# Altium PCB UmTRXv21.PcbDoc (part 6 of 19)
Units mm, origin at the board's own origin, x right, y up, seen from the top; angles counter-clockwise.
Board outline 159.5 x 99.5 mm, 6 copper layers (Top Layer, GND, MidLayer1, Mid-Layer 2, InternalPlane2, Bottom Layer), stack 1.526 mm thick; 716 components, 578 nets, 2850 pads, 1402 vias.
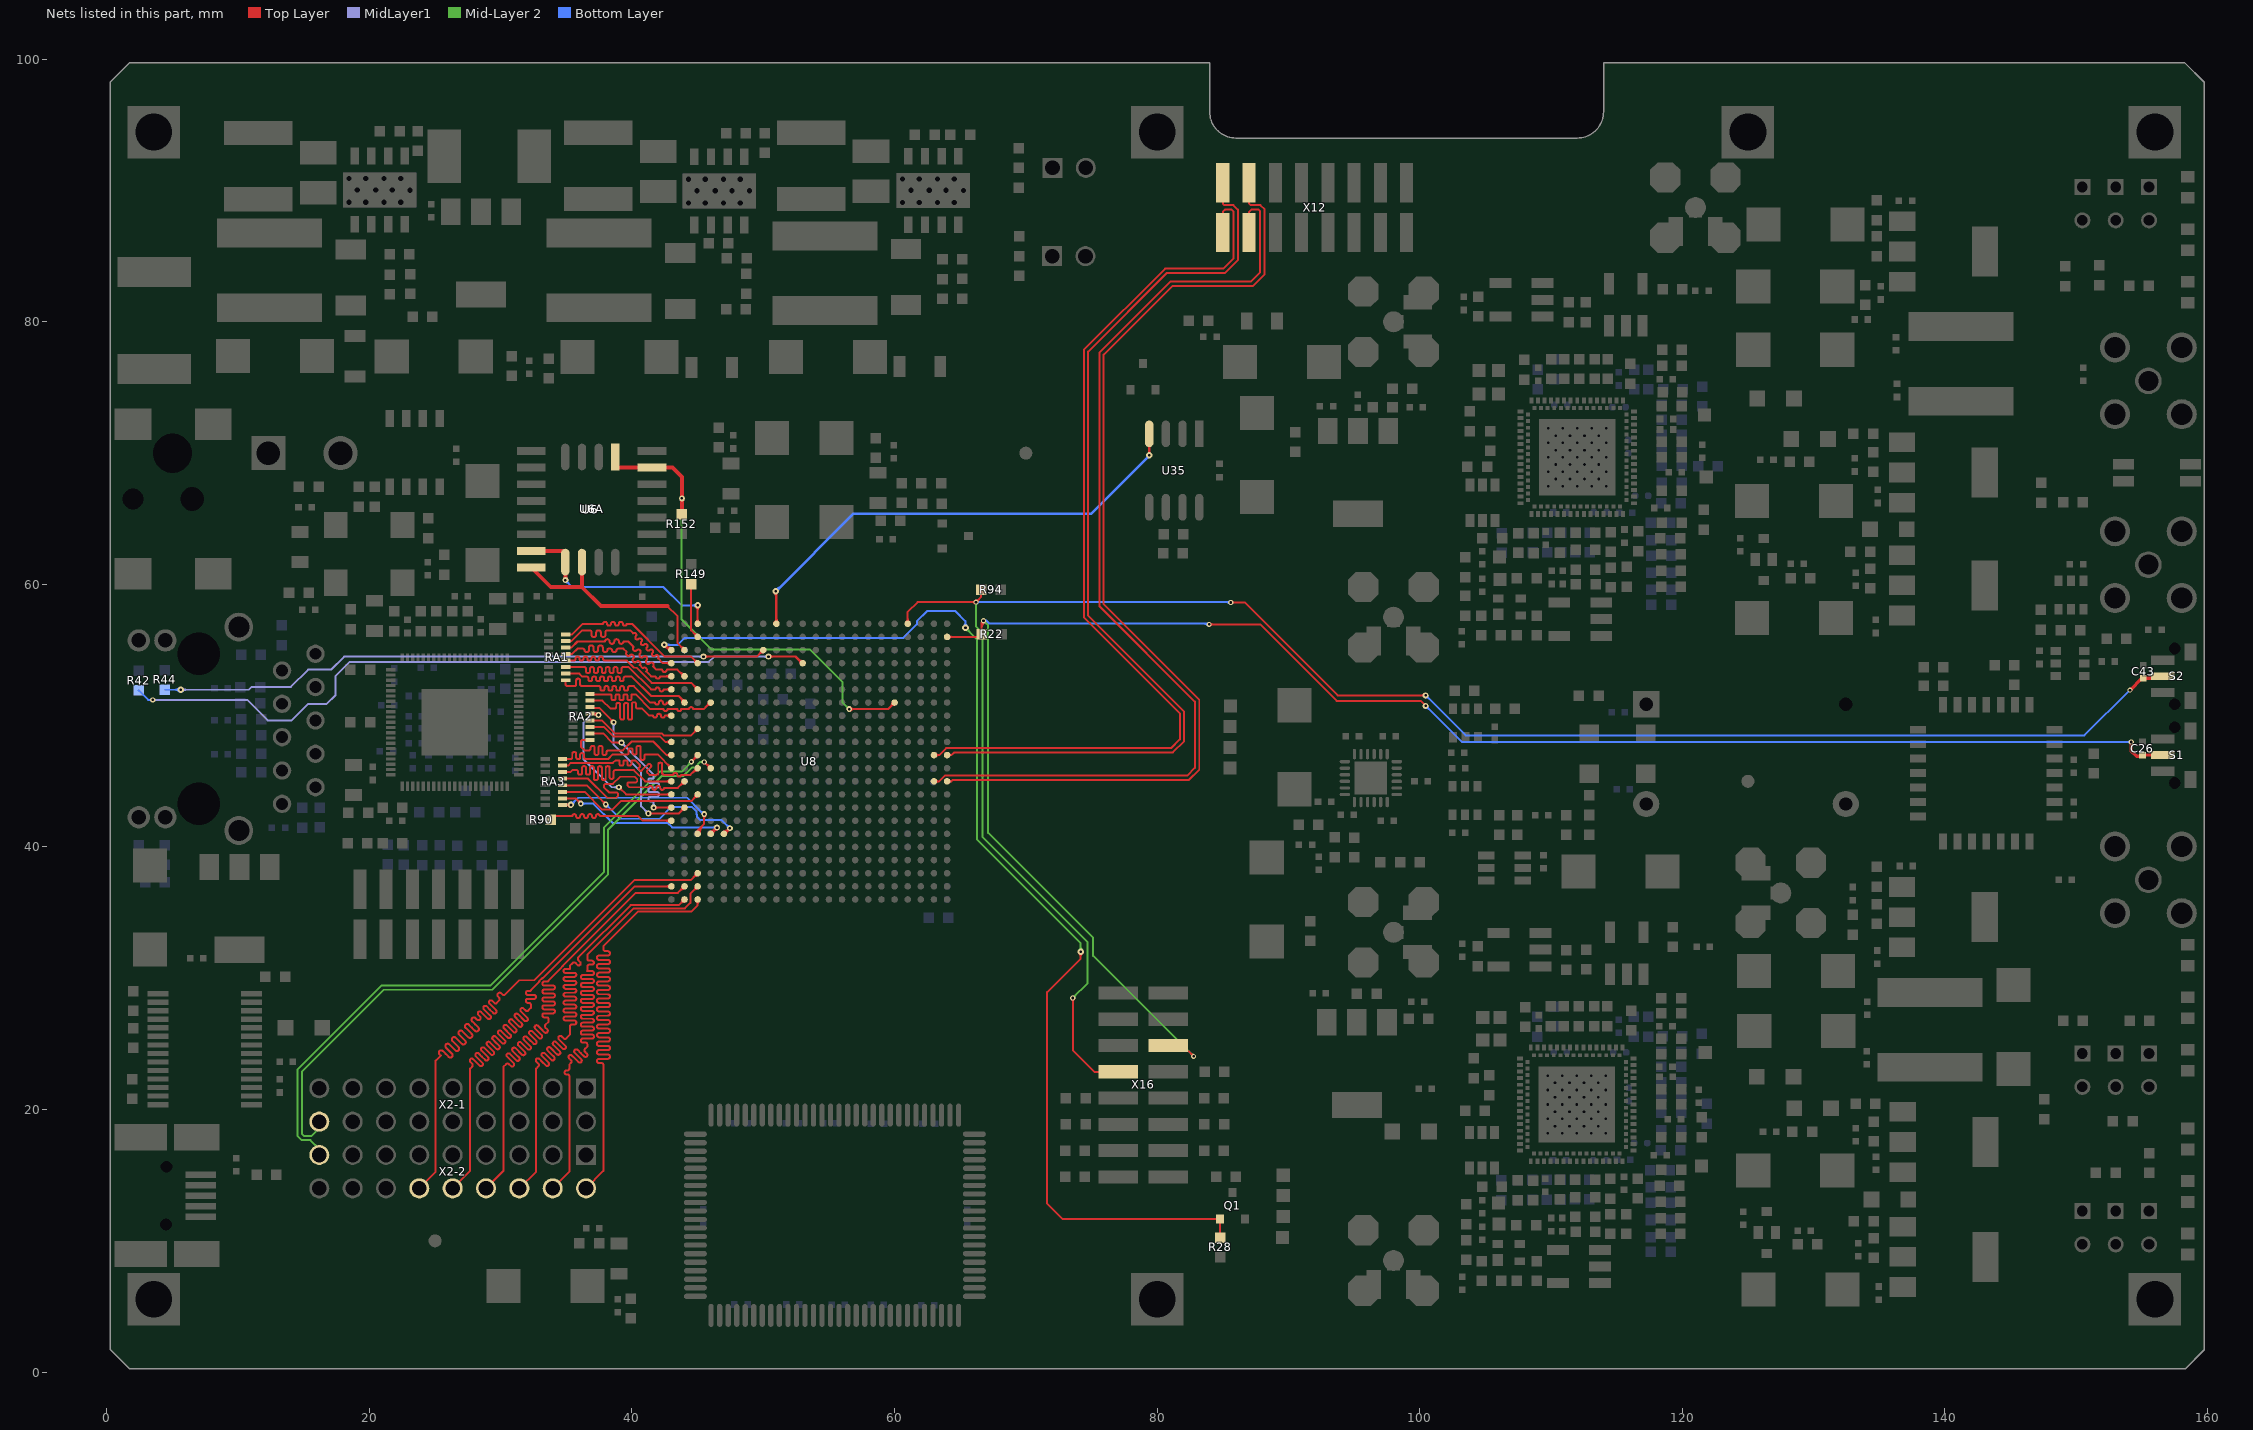
[diagram p10: the nets of this part, all layers, seen from the top]

## Via types
v1: diameter 0.45, hole 0.2, Top Layer to Bottom Layer, tented both sides, 440 vias
v2: diameter 0.5, hole 0.2, Top Layer to Bottom Layer, tented both sides, 423 vias
v3: diameter 0.7, hole 0.3, Top Layer to Bottom Layer, tented both sides, 257 vias
v4: diameter 0.4, hole 0.2, Top Layer to Bottom Layer, tented both sides, 197 vias
v5: diameter 0.8, hole 0.3, Top Layer to Bottom Layer, tented both sides, 63 vias
v6: diameter 0.6, hole 0.25, Top Layer to Bottom Layer, tented both sides, 16 vias
v7: diameter 0.6, hole 0.3, Top Layer to Bottom Layer, tented both sides, 4 vias
v8: diameter 1, hole 0.5, Top Layer to Bottom Layer, tented both sides, 2 vias

## Nets (pads, with @x,y where several pads share a name; then routed paths per layer and width w, separated by ;. In a path a pad name is that pad's centre, name@x,y a point inside that pad or via, vN(x,y) a via of type N, cw(c..) or ccw(c..) an arc to the next point about the centre after c; other vN are vias at no path point) (continued)
DEBUG26: U8.C20 X2-2.12 | length 50.6
  Top Layer w0.15: X2-2.12@23.8,14 25.05,15.25 25.05,23.728 25.425,24.103 ; 25.438,24.112 25.334,24.216 cw(c25.459,24.341) 25.334,24.466 cw(c25.459,24.341) 25.583,24.466 25.812,24.237 26.041,24.008 ccw(c26.166,24.133) 26.291,24.008 ccw(c26.166,24.133) 26.291,24.258 26.062,24.487 25.833,24.716 cw(c25.958,24.84) 25.833,24.965 cw(c25.958,24.84) 26.083,24.965 26.54,24.508 ccw(c26.665,24.633) 26.79,24.508 ccw(c26.665,24.633) 26.79,24.758 26.333,25.215 cw(c26.458,25.34) 26.333,25.465 cw(c26.458,25.34) 26.582,25.465 26.811,25.236 27.04,25.007 ccw(c27.165,25.132) 27.29,25.007 ccw(c27.165,25.132) 27.29,25.257 27.061,25.486 26.832,25.715 cw(c26.957,25.839) 26.832,25.964 cw(c26.957,25.839) 27.082,25.964 27.539,25.507 ccw(c27.664,25.632) 27.789,25.507 ccw(c27.664,25.632) 27.789,25.757 27.332,26.214 cw(c27.457,26.339) 27.332,26.464 cw(c27.457,26.339) 27.581,26.464 27.81,26.235 28.039,26.006 ccw(c28.164,26.131) 28.289,26.006 ccw(c28.164,26.131) 28.289,26.256 28.06,26.485 27.831,26.714 cw(c27.956,26.838) 27.831,26.963 cw(c27.956,26.838) 28.081,26.963 28.185,26.859 ccw(c28.31,26.984) 28.434,26.859 ccw(c28.328,26.966) 28.434,27.073 28.295,27.213 cw(c28.402,27.32) 28.295,27.427 cw(c28.402,27.32) 28.509,27.427 28.755,27.18 29.002,26.934 ccw(c29.109,27.041) 29.216,26.934 ccw(c29.109,27.041) 29.216,27.147 28.722,27.641 cw(c28.829,27.748) 28.722,27.855 cw(c28.829,27.748) 28.936,27.855 29.183,27.608 29.43,27.361 ccw(c29.536,27.468) 29.643,27.361 ccw(c29.536,27.468) 29.643,27.575 29.397,27.822 29.15,28.068 cw(c29.257,28.175) 29.15,28.282 cw(c29.257,28.175) 29.364,28.282 29.559,28.087 ccw(c29.611,28.139) 29.662,28.087 29.863,28.287 ccw(c29.738,28.412) 29.863,28.537 29.799,28.601 cw(c29.924,28.726) 29.799,28.85 cw(c29.924,28.726) 30.049,28.85 30.149,28.75 ccw(c30.237,28.838) 30.325,28.75 31.425,29.85 32.55,29.85 40.2,37.5 44.5,37.5 U8.C20@45,38 ; U8.C20@44.825,38 cw(c44.403,38) 44.701,37.701 cw(c45,37.403) U8.C20@45,37.825
DEBUG27: U8.B22 X2-2.10 | length 50.5
  Top Layer w0.15: X2-2.10@26.34,14 27.675,15.335 27.675,23.125 27.825,23.275 ccw(c27.718,23.382) 27.825,23.489 27.685,23.629 cw(c27.792,23.735) 27.685,23.842 cw(c27.792,23.735) 27.899,23.842 28.146,23.596 28.392,23.349 ccw(c28.499,23.456) 28.606,23.349 ccw(c28.499,23.456) 28.606,23.563 28.113,24.056 cw(c28.22,24.163) 28.113,24.27 cw(c28.22,24.163) 28.327,24.27 28.573,24.023 28.82,23.777 ccw(c28.927,23.884) 29.034,23.777 ccw(c28.927,23.884) 29.034,23.991 28.787,24.237 28.541,24.484 cw(c28.648,24.591) 28.541,24.698 cw(c28.648,24.591) 28.754,24.698 29.248,24.204 ccw(c29.355,24.311) 29.462,24.204 ccw(c29.355,24.311) 29.462,24.418 29.215,24.665 28.968,24.912 cw(c29.075,25.018) 28.968,25.125 cw(c29.075,25.018) 29.182,25.125 29.675,24.632 ccw(c29.782,24.739) 29.889,24.632 ccw(c29.782,24.739) 29.889,24.846 29.643,25.093 29.396,25.339 cw(c29.503,25.446) 29.396,25.553 cw(c29.503,25.446) 29.61,25.553 29.856,25.306 30.103,25.06 ccw(c30.21,25.167) 30.317,25.06 ccw(c30.21,25.167) 30.317,25.274 29.824,25.767 cw(c29.93,25.874) 29.824,25.981 cw(c29.93,25.874) 30.037,25.981 30.284,25.734 30.531,25.487 ccw(c30.638,25.594) 30.744,25.487 ccw(c30.638,25.594) 30.744,25.701 30.251,26.194 cw(c30.358,26.301) 30.251,26.408 cw(c30.358,26.301) 30.465,26.408 30.712,26.162 30.958,25.915 ccw(c31.065,26.022) 31.172,25.915 ccw(c31.065,26.022) 31.172,26.129 30.926,26.376 30.679,26.622 cw(c30.786,26.729) 30.679,26.836 cw(c30.786,26.729) 30.893,26.836 31.386,26.343 ccw(c31.493,26.45) 31.6,26.343 ccw(c31.493,26.45) 31.6,26.557 31.353,26.803 31.107,27.05 cw(c31.213,27.157) 31.107,27.264 cw(c31.213,27.157) 31.32,27.264 31.814,26.77 ccw(c31.921,26.877) 32.027,26.77 ccw(c31.921,26.877) 32.027,26.984 31.781,27.231 31.534,27.477 cw(c31.641,27.584) 31.534,27.691 cw(c31.641,27.584) 31.748,27.691 31.888,27.552 ccw(c31.995,27.658) 32.102,27.552 32.3,27.75 32.3,27.975 ccw(c32.149,27.975) 32.149,28.126 32.062,28.126 cw(c32.062,28.277) 31.911,28.277 cw(c32.062,28.277) 32.062,28.429 32.538,28.429 ccw(c32.538,28.58) 32.689,28.58 ccw(c32.538,28.58) 32.538,28.731 32.062,28.731 cw(c32.062,28.882) 31.911,28.882 cw(c32.062,28.882) 32.062,29.033 32.233,29.033 ccw(c32.233,29.1) 32.3,29.1 32.898,29.698 32.898,29.709 32.911,29.721 32.942,29.753 32.942,29.797 33.119,29.975 33.163,29.975 33.194,30.006 33.206,30.006 40.2,37 U8.B22@43,37 ; U8.B22@42.876,36.876 ccw(c42.578,36.578) 42.578,37 ccw(c42.578,37.422) U8.B22@42.876,37.124
DEBUG28: U8.B21 X2-2.8 | length 50.4
  Top Layer w0.15: X2-2.8@28.88,14 30.2,15.32 30.2,23.249 30.414,23.462 cw(c30.521,23.355) 30.628,23.462 30.767,23.323 ccw(c30.874,23.43) 30.981,23.323 ccw(c30.874,23.43) 30.981,23.536 30.488,24.03 cw(c30.595,24.137) 30.488,24.244 cw(c30.595,24.137) 30.702,24.244 30.948,23.997 31.195,23.75 ccw(c31.302,23.857) 31.409,23.75 ccw(c31.302,23.857) 31.409,23.964 31.162,24.211 30.916,24.457 cw(c31.023,24.564) 30.916,24.671 cw(c31.023,24.564) 31.129,24.671 31.623,24.178 ccw(c31.73,24.285) 31.837,24.178 ccw(c31.73,24.285) 31.837,24.392 31.59,24.638 31.343,24.885 cw(c31.45,24.992) 31.343,25.099 cw(c31.45,24.992) 31.557,25.099 32.05,24.606 ccw(c32.157,24.713) 32.264,24.606 ccw(c32.157,24.713) 32.264,24.819 32.018,25.066 31.771,25.313 cw(c31.878,25.42) 31.771,25.527 cw(c31.878,25.42) 31.985,25.527 32.231,25.28 32.478,25.033 ccw(c32.585,25.14) 32.692,25.033 ccw(c32.585,25.14) 32.692,25.247 32.199,25.74 cw(c32.305,25.847) 32.199,25.954 cw(c32.305,25.847) 32.412,25.954 32.659,25.708 32.906,25.461 ccw(c33.013,25.568) 33.119,25.461 ccw(c33.013,25.568) 33.119,25.675 32.626,26.168 cw(c32.733,26.275) 32.626,26.382 cw(c32.733,26.275) 32.84,26.382 33.087,26.135 33.333,25.889 ccw(c33.44,25.996) 33.547,25.889 ccw(c33.44,25.996) 33.547,26.102 33.407,26.242 cw(c33.514,26.349) 33.407,26.456 33.65,26.699 33.65,26.875 ccw(c33.499,26.875) 33.499,27.026 33.32,27.026 cw(c33.32,27.177) 33.169,27.177 cw(c33.32,27.177) 33.32,27.329 33.98,27.329 ccw(c33.98,27.48) 34.131,27.48 ccw(c33.98,27.48) 33.98,27.631 33.32,27.631 cw(c33.32,27.782) 33.169,27.782 cw(c33.32,27.782) 33.32,27.933 33.98,27.933 ccw(c33.98,28.085) 34.131,28.085 ccw(c33.98,28.085) 33.98,28.236 33.32,28.236 cw(c33.32,28.387) 33.169,28.387 cw(c33.32,28.387) 33.32,28.538 33.98,28.538 ccw(c33.98,28.689) 34.131,28.689 ccw(c33.98,28.689) 33.98,28.841 33.32,28.841 cw(c33.32,28.992) 33.169,28.992 cw(c33.32,28.992) 33.32,29.143 33.98,29.143 ccw(c33.98,29.294) 34.131,29.294 ccw(c33.98,29.294) 33.98,29.445 33.32,29.445 cw(c33.32,29.597) 33.169,29.597 cw(c33.32,29.597) 33.32,29.748 33.548,29.748 ccw(c33.548,29.85) 33.65,29.85 34.561,30.761 34.739,30.939 40.3,36.5 43.5,36.5 U8.B21@44,37 ; U8.B21@43.825,37 cw(c43.403,37) 43.701,36.701 cw(c44,36.403) U8.B21@44,36.825
DEBUG29: U8.A21 X2-2.6 | length 50.2
  Top Layer w0.15: X2-2.6@31.42,14 32.7,15.28 32.7,23.125 32.862,23.287 ccw(c32.756,23.394) 32.862,23.501 32.723,23.641 cw(c32.83,23.748) 32.723,23.855 cw(c32.83,23.748) 32.937,23.855 33.183,23.608 33.43,23.362 ccw(c33.537,23.469) 33.644,23.362 ccw(c33.537,23.469) 33.644,23.575 33.15,24.069 cw(c33.257,24.176) 33.15,24.283 cw(c33.257,24.176) 33.364,24.283 33.611,24.036 33.858,23.789 ccw(c33.964,23.896) 34.071,23.789 ccw(c33.964,23.896) 34.071,24.003 33.825,24.25 33.578,24.496 cw(c33.685,24.603) 33.578,24.71 cw(c33.685,24.603) 33.792,24.71 34.285,24.217 ccw(c34.392,24.324) 34.499,24.217 ccw(c34.392,24.324) 34.499,24.431 34.252,24.677 34.006,24.924 cw(c34.113,25.031) 34.006,25.138 cw(c34.113,25.031) 34.22,25.138 34.713,24.645 ccw(c34.82,24.751) 34.927,24.645 ccw(c34.82,24.751) 34.927,24.858 34.68,25.105 34.433,25.352 cw(c34.54,25.459) 34.433,25.566 cw(c34.54,25.459) 34.647,25.566 34.787,25.426 ccw(c34.894,25.533) 35.001,25.426 35.275,25.7 35.275,26.327 cw(c35.426,26.327) 35.426,26.479 35.611,26.479 ccw(c35.611,26.63) 35.762,26.63 ccw(c35.611,26.63) 35.611,26.781 34.939,26.781 cw(c34.939,26.932) 34.788,26.932 cw(c34.939,26.932) 34.939,27.083 35.611,27.083 ccw(c35.611,27.235) 35.762,27.235 ccw(c35.611,27.235) 35.611,27.386 34.939,27.386 cw(c34.939,27.537) 34.788,27.537 cw(c34.939,27.537) 34.939,27.688 35.611,27.688 ccw(c35.611,27.839) 35.762,27.839 ccw(c35.611,27.839) 35.611,27.991 34.939,27.991 cw(c34.939,28.142) 34.788,28.142 cw(c34.939,28.142) 34.939,28.293 35.611,28.293 ccw(c35.611,28.444) 35.762,28.444 ccw(c35.611,28.444) 35.611,28.595 34.939,28.595 cw(c34.939,28.747) 34.788,28.747 cw(c34.939,28.747) 34.939,28.898 35.611,28.898 ccw(c35.611,29.049) 35.762,29.049 ccw(c35.611,29.049) 35.611,29.2 34.939,29.2 cw(c34.939,29.351) 34.788,29.351 cw(c34.939,29.351) 34.939,29.503 35.611,29.503 ccw(c35.611,29.654) 35.762,29.654 ccw(c35.611,29.654) 35.611,29.805 34.939,29.805 cw(c34.939,29.956) 34.788,29.956 cw(c34.939,29.956) 34.939,30.107 35.611,30.107 ccw(c35.611,30.259) 35.762,30.259 ccw(c35.611,30.259) 35.611,30.41 34.939,30.41 cw(c34.939,30.561) 34.788,30.561 cw(c34.939,30.561) 34.939,30.712 35.275,30.712 35.275,30.95 35.487,31.162 cw(c35.593,31.056) 35.699,31.162 35.841,31.021 ccw(c35.947,31.127) 36.053,31.021 ccw(c35.947,31.127) 36.053,31.233 35.911,31.374 cw(c36.017,31.48) 35.911,31.586 39.9,35.575 43.575,35.575 U8.A21@44,36 ; U8.A21@43.825,36 cw(c43.403,36) 43.701,35.701 cw(c44,35.403) U8.A21@44,35.825
DEBUG30: U8.B20 X2-2.4 | length 50.7
  Top Layer w0.15: X2-2.4@33.96,14 35.225,15.265 35.225,22.55 ccw(c35.1,22.55) 35.1,22.675 35.012,22.675 cw(c35.012,22.825) 34.862,22.825 cw(c35.012,22.825) 35.012,22.975 35.075,22.975 ccw(c35.075,23.125) 35.225,23.125 35.225,23.425 35.35,23.55 ccw(c35.243,23.657) 35.35,23.764 35.21,23.904 cw(c35.317,24.01) 35.21,24.117 cw(c35.317,24.01) 35.424,24.117 35.671,23.871 35.917,23.624 ccw(c36.024,23.731) 36.131,23.624 ccw(c36.024,23.731) 36.131,23.838 35.638,24.331 cw(c35.745,24.438) 35.638,24.545 cw(c35.745,24.438) 35.852,24.545 36.098,24.298 36.345,24.052 ccw(c36.452,24.159) 36.559,24.052 ccw(c36.452,24.159) 36.559,24.266 36.419,24.405 cw(c36.526,24.512) 36.419,24.619 36.6,24.8 36.6,24.951 ccw(c36.449,24.951) 36.449,25.102 36.252,25.102 cw(c36.252,25.254) 36.101,25.254 cw(c36.252,25.254) 36.252,25.405 36.948,25.405 ccw(c36.948,25.556) 37.099,25.556 ccw(c36.948,25.556) 36.948,25.707 36.252,25.707 cw(c36.252,25.858) 36.101,25.858 cw(c36.252,25.858) 36.252,26.01 36.948,26.01 ccw(c36.948,26.161) 37.099,26.161 ccw(c36.948,26.161) 36.948,26.312 36.252,26.312 cw(c36.252,26.463) 36.101,26.463 cw(c36.252,26.463) 36.252,26.614 36.948,26.614 ccw(c36.948,26.766) 37.099,26.766 ccw(c36.948,26.766) 36.948,26.917 36.252,26.917 cw(c36.252,27.068) 36.101,27.068 cw(c36.252,27.068) 36.252,27.219 36.948,27.219 ccw(c36.948,27.37) 37.099,27.37 ccw(c36.948,27.37) 36.948,27.522 36.252,27.522 cw(c36.252,27.673) 36.101,27.673 cw(c36.252,27.673) 36.252,27.824 36.948,27.824 ccw(c36.948,27.975) 37.099,27.975 ccw(c36.948,27.975) 36.948,28.126 36.252,28.126 cw(c36.252,28.278) 36.101,28.278 cw(c36.252,28.278) 36.252,28.429 36.948,28.429 ccw(c36.948,28.58) 37.099,28.58 ccw(c36.948,28.58) 36.948,28.731 36.252,28.731 cw(c36.252,28.882) 36.101,28.882 cw(c36.252,28.882) 36.252,29.034 36.948,29.034 ccw(c36.948,29.185) 37.099,29.185 ccw(c36.948,29.185) 36.948,29.336 36.252,29.336 cw(c36.252,29.487) 36.101,29.487 cw(c36.252,29.487) 36.252,29.638 36.948,29.638 ccw(c36.948,29.79) 37.099,29.79 ccw(c36.948,29.79) 36.948,29.941 36.252,29.941 cw(c36.252,30.092) 36.101,30.092 cw(c36.252,30.092) 36.252,30.243 36.948,30.243 ccw(c36.948,30.394) 37.099,30.394 ccw(c36.948,30.394) 36.948,30.546 36.588,30.546 36.6,30.558 36.6,30.887 cw(c36.75,30.887) 36.75,31.037 36.95,31.037 ccw(c36.95,31.187) 37.1,31.187 ccw(c36.95,31.187) 36.95,31.337 36.75,31.337 cw(c36.75,31.487) 36.6,31.487 36.6,31.795 40.13,35.325 44.025,35.325 44.449,35.749 44.449,36.449 U8.B20@45,37 ; U8.B20@44.825,37 cw(c44.403,37) 44.701,36.701 cw(c45,36.403) U8.B20@45,36.825
DEBUG31: U8.A20 X2-2.2 | length 50.7
  Top Layer w0.15: X2-2.2@36.5,14 37.825,15.325 37.825,23.4 ccw(c37.687,23.4) 37.687,23.538 37.49,23.538 cw(c37.49,23.702) 37.327,23.702 cw(c37.49,23.702) 37.49,23.866 38.16,23.866 ccw(c38.16,24.03) 38.323,24.03 ccw(c38.16,24.03) 38.16,24.194 37.49,24.194 cw(c37.49,24.358) 37.327,24.358 cw(c37.49,24.358) 37.49,24.522 38.16,24.522 ccw(c38.16,24.686) 38.323,24.686 ccw(c38.16,24.686) 38.16,24.85 37.49,24.85 cw(c37.49,25.013) 37.327,25.013 cw(c37.49,25.013) 37.49,25.177 38.16,25.177 ccw(c38.16,25.341) 38.323,25.341 ccw(c38.16,25.341) 38.16,25.505 37.503,25.505 cw(c37.503,25.669) 37.339,25.669 cw(c37.503,25.669) 37.503,25.833 38.16,25.833 ccw(c38.16,25.997) 38.323,25.997 ccw(c38.16,25.997) 38.16,26.161 37.49,26.161 cw(c37.49,26.325) 37.327,26.325 cw(c37.49,26.325) 37.49,26.489 38.16,26.489 ccw(c38.16,26.652) 38.323,26.652 ccw(c38.16,26.652) 38.16,26.816 37.49,26.816 cw(c37.49,26.98) 37.327,26.98 cw(c37.49,26.98) 37.49,27.144 38.16,27.144 ccw(c38.16,27.308) 38.323,27.308 ccw(c38.16,27.308) 38.16,27.472 37.49,27.472 cw(c37.49,27.636) 37.327,27.636 cw(c37.49,27.636) 37.49,27.8 38.16,27.8 ccw(c38.16,27.964) 38.323,27.964 ccw(c38.16,27.964) 38.16,28.128 37.49,28.128 cw(c37.49,28.291) 37.327,28.291 cw(c37.49,28.291) 37.49,28.455 38.16,28.455 ccw(c38.16,28.619) 38.323,28.619 ccw(c38.16,28.619) 38.16,28.783 37.49,28.783 cw(c37.49,28.947) 37.327,28.947 cw(c37.49,28.947) 37.49,29.111 38.16,29.111 ccw(c38.16,29.275) 38.323,29.275 ccw(c38.16,29.275) 38.16,29.439 37.49,29.439 cw(c37.49,29.603) 37.327,29.603 cw(c37.49,29.603) 37.49,29.767 38.16,29.767 ccw(c38.16,29.93) 38.323,29.93 ccw(c38.16,29.93) 38.16,30.094 37.498,30.094 cw(c37.498,30.258) 37.334,30.258 cw(c37.498,30.258) 37.498,30.422 38.16,30.422 ccw(c38.16,30.586) 38.323,30.586 ccw(c38.16,30.586) 38.16,30.75 37.49,30.75 cw(c37.49,30.914) 37.327,30.914 cw(c37.49,30.914) 37.49,31.078 38.16,31.078 ccw(c38.16,31.242) 38.323,31.242 ccw(c38.16,31.242) 38.16,31.406 37.49,31.406 cw(c37.49,31.569) 37.327,31.569 cw(c37.49,31.569) 37.49,31.733 38.16,31.733 ccw(c38.16,31.897) 38.323,31.897 ccw(c38.16,31.897) 38.16,32.061 37.989,32.061 cw(c37.989,32.225) 37.825,32.225 37.825,32.45 40.45,35.075 44.525,35.075 45,35.55 U8.A20@45,36 ; U8.A20@44.876,35.876 cw(c44.578,35.578) 45,35.578 cw(c45.422,35.578) U8.A20@45.124,35.876
DEBUG_CLK_N: U8.L19 X2-1.18 | length 51.6
  Top Layer w0.15: v4@45.5,46.35 cw(c45.5,46.048) 45.713,46.262 cw(c45.927,46.475) v4@45.625,46.475 ; v4(45.5,46.475) 45.975,46 U8.L19@46,46 ; 45.659,46.316 ccw(c46,46.658) U8.L19@46,46.175 ; 45.719,46.256 cw(c45.463,46) U8.L19@45.825,46
  Mid-Layer 2 w0.15: X2-1.18@16.18,19.08 16.18,18.58 15.6,18 15,18 14.85,18.15 14.85,22.883 21.092,29.125 29.367,29.125 38.18,37.938 38.18,41.33 42.256,45.406 43.921,45.406 44.56,46.045 44.77,46.045 45.2,46.475 ; v4@45.411,46.387 ccw(c45.2,46.178) 45.2,46.475 ; v4@45.411,46.563 cw(c45.2,46.772) 45.2,46.475 ; v4(45.5,46.475) 45.2,46.475
DEBUG_CLK_P: U8.M20 X2-2.17 | length 51.6
  Top Layer w0.15: v4(44.525,46.5) 45,46.975 U8.M20@45,47 ; v4@44.525,46.625 ccw(c44.525,46.927) 44.738,46.713 ccw(c44.952,46.5) v4@44.65,46.5 ; 44.684,46.659 ccw(c44.342,47) U8.M20@44.825,47 ; 44.744,46.719 cw(c45,46.463) U8.M20@45,46.825
  Mid-Layer 2 w0.1: v4@44.5,46.5 v4(44.525,46.5)
  Mid-Layer 2 w0.15: X2-2.17@16.18,16.54 16.18,16.995 15.505,17.67 14.863,17.67 14.52,18.013 14.52,23.02 20.955,29.455 29.23,29.455 37.85,38.075 37.85,41.467 42.119,45.736 43.784,45.736 44.35,46.302 44.35,46.325 v4(44.525,46.5) ; 44.295,46.247 ccw(c44.042,46.5) v4@44.4,46.5 ; 44.351,46.303 cw(c44.525,46.13) v4@44.525,46.375
DIVSW1_N: U8.M1 X12.2 | length 72.7
  Top Layer w0.15: U8.M1@64,47 64.332,47 ; U8.M1@64.144,46.901 cw(c64.332,46.773) 64.332,47 ; U8.M1@64.144,47.099 ccw(c64.332,47.227) 64.332,47 ; X12.2@85,90.6 85,89.008 85.128,88.88 85.812,88.88 86.155,88.537 86.155,84.693 85.187,83.725 80.75,83.725 74.75,77.725 74.75,57.617 82.055,50.312 82.055,48.063 81.192,47.2 64.525,47.2 64.525,47.193 64.332,47
DIVSW1_P: U8.M2 X12.1 | length 72.9
  Top Layer w0.15: U8.M2@63,47 63.399,47 ; U8.M2@63.129,46.881 cw(c63.399,46.633) 63.399,47 ; U8.M2@63.129,47.119 ccw(c63.399,47.367) 63.399,47 ; X12.1@85,86.8 85,88.383 85.167,88.55 85.675,88.55 85.825,88.4 85.825,84.83 85.05,84.055 80.613,84.055 74.42,77.862 74.42,57.48 81.725,50.175 81.725,48.2 81.055,47.53 63.929,47.53 63.399,47
DIVSW2_N: U8.K1 X12.4 | length 77.3
  Top Layer w0.15: U8.K1@64,45 64.332,45 ; U8.K1@64.144,44.901 cw(c64.332,44.773) 64.332,45 ; U8.K1@64.144,45.099 ccw(c64.332,45.227) 64.332,45 ; X12.4@87,90.6 87,89.008 87.128,88.88 87.862,88.88 88.18,88.562 88.18,83.638 87.267,82.725 81.15,82.725 75.925,77.5 75.925,58.492 83.205,51.212 83.205,45.888 82.417,45.1 64.432,45.1 64.332,45
DIVSW2_P: U8.K2 X12.3 | length 77.5
  Top Layer w0.15: U8.K2@63,45 63.399,45 ; U8.K2@63.129,44.881 cw(c63.399,44.633) 63.399,45 ; U8.K2@63.129,45.119 ccw(c63.399,45.367) 63.399,45 ; X12.3@87,86.8 87,88.383 87.167,88.55 87.725,88.55 87.85,88.425 87.85,83.775 87.13,83.055 81.013,83.055 75.595,77.637 75.595,58.355 82.875,51.075 82.875,46.025 82.28,45.43 63.829,45.43 63.399,45
DONE: Q1.1 R28.2 U8.Y22 | length 94.3
  Top Layer w0.15: v2@42.45,55.225 cw(c42.45,54.803) 42.749,55.101 cw(c43.047,55.4) v2@42.625,55.4 ; 42.704,55.146 ccw(c42.997,55.44) U8.Y22@43,55.025 ; U8.Y22@42.999,55.175 cw(c42.993,55.943) v2(42.45,55.4) 42.85,55 U8.Y22@43,55 ; v2@74.05,31.901 cw(c73.751,31.603) 74.174,31.603 cw(c74.596,31.603) v2@74.298,31.901 ; v2(74.174,32.025) 74.174,31.499 71.625,28.95 71.625,12.825 72.775,11.675 Q1.1@84.8,11.675 R28.2@84.8,10.25
  Mid-Layer 2 w0.15: v2@65.4,56.525 cw(c65.4,56.103) 65.699,56.401 cw(c65.997,56.7) v2@65.575,56.7 ; v2(65.4,56.7) 66.275,55.825 66.275,40.575 74.174,32.676 v2(74.174,32.025) ; v2@74.05,32.149 ccw(c73.751,32.447) 74.174,32.447 ccw(c74.596,32.447) v2@74.298,32.149
  Bottom Layer w0.15: v2(42.45,55.4) 43.5,55.4 44.025,55.925 60.675,55.925 61.7,56.95 61.7,57.2 62.475,57.975 64.626,57.975 65.4,57.201 v2(65.4,56.7) ; v2@42.574,55.276 cw(c42.872,54.978) 42.872,55.4 cw(c42.872,55.822) v2@42.574,55.524 ; v2@65.276,56.824 ccw(c64.978,57.122) 65.4,57.122 ccw(c65.822,57.122) v2@65.524,56.824
ETH_LEDG: R44.2 U8.Y15 | length 50
  Top Layer w0.15: v1(45.45,54.5) 49.5,54.5 U8.Y15@50,55 ; v1@45.556,54.394 cw(c45.812,54.138) 45.812,54.5 cw(c45.812,54.862) v1@45.556,54.606 ; U8.Y15@49.825,55 cw(c49.403,55) 49.701,54.701 cw(c50,54.403) U8.Y15@50,54.825
  MidLayer1 w0.15: v2(5.625,51.975) 10.825,51.975 11.05,52.2 14.025,52.2 15.325,53.5 17.075,53.5 18.075,54.5 v1(45.45,54.5) ; v2@5.749,51.851 cw(c6.047,51.553) 6.047,51.975 cw(c6.047,52.397) v2@5.749,52.099 ; v1@45.344,54.394 ccw(c45.088,54.138) 45.088,54.5 ccw(c45.088,54.862) v1@45.344,54.606
  Bottom Layer w0.15: R44.2@4.425,51.975 v2(5.625,51.975) ; v2@5.501,51.851 ccw(c5.203,51.553) 5.203,51.975 ccw(c5.203,52.397) v2@5.501,52.099
ETH_LEDO: R42.2 U8.W12 | length 58.7
  Top Layer w0.15: v1(50.4,54.5) 52.45,54.5 ; v1@50.506,54.394 cw(c50.762,54.138) 50.762,54.5 cw(c50.762,54.862) v1@50.506,54.606 ; 52.616,54.334 ccw(c53,54.718) 53,54.175 cw(c53,54.597) 52.701,54.299 cw(c52.403,54) 52.825,54 ccw(c52.523,54) 52.737,54.213 ; U8.W12@52.975,53.975 52.45,54.5 ; U8.W12@53,54 52.5,54.5 52.45,54.5